# KiCad board STM32MP25XXAJ_DDR4.kicad_pcb (continued)
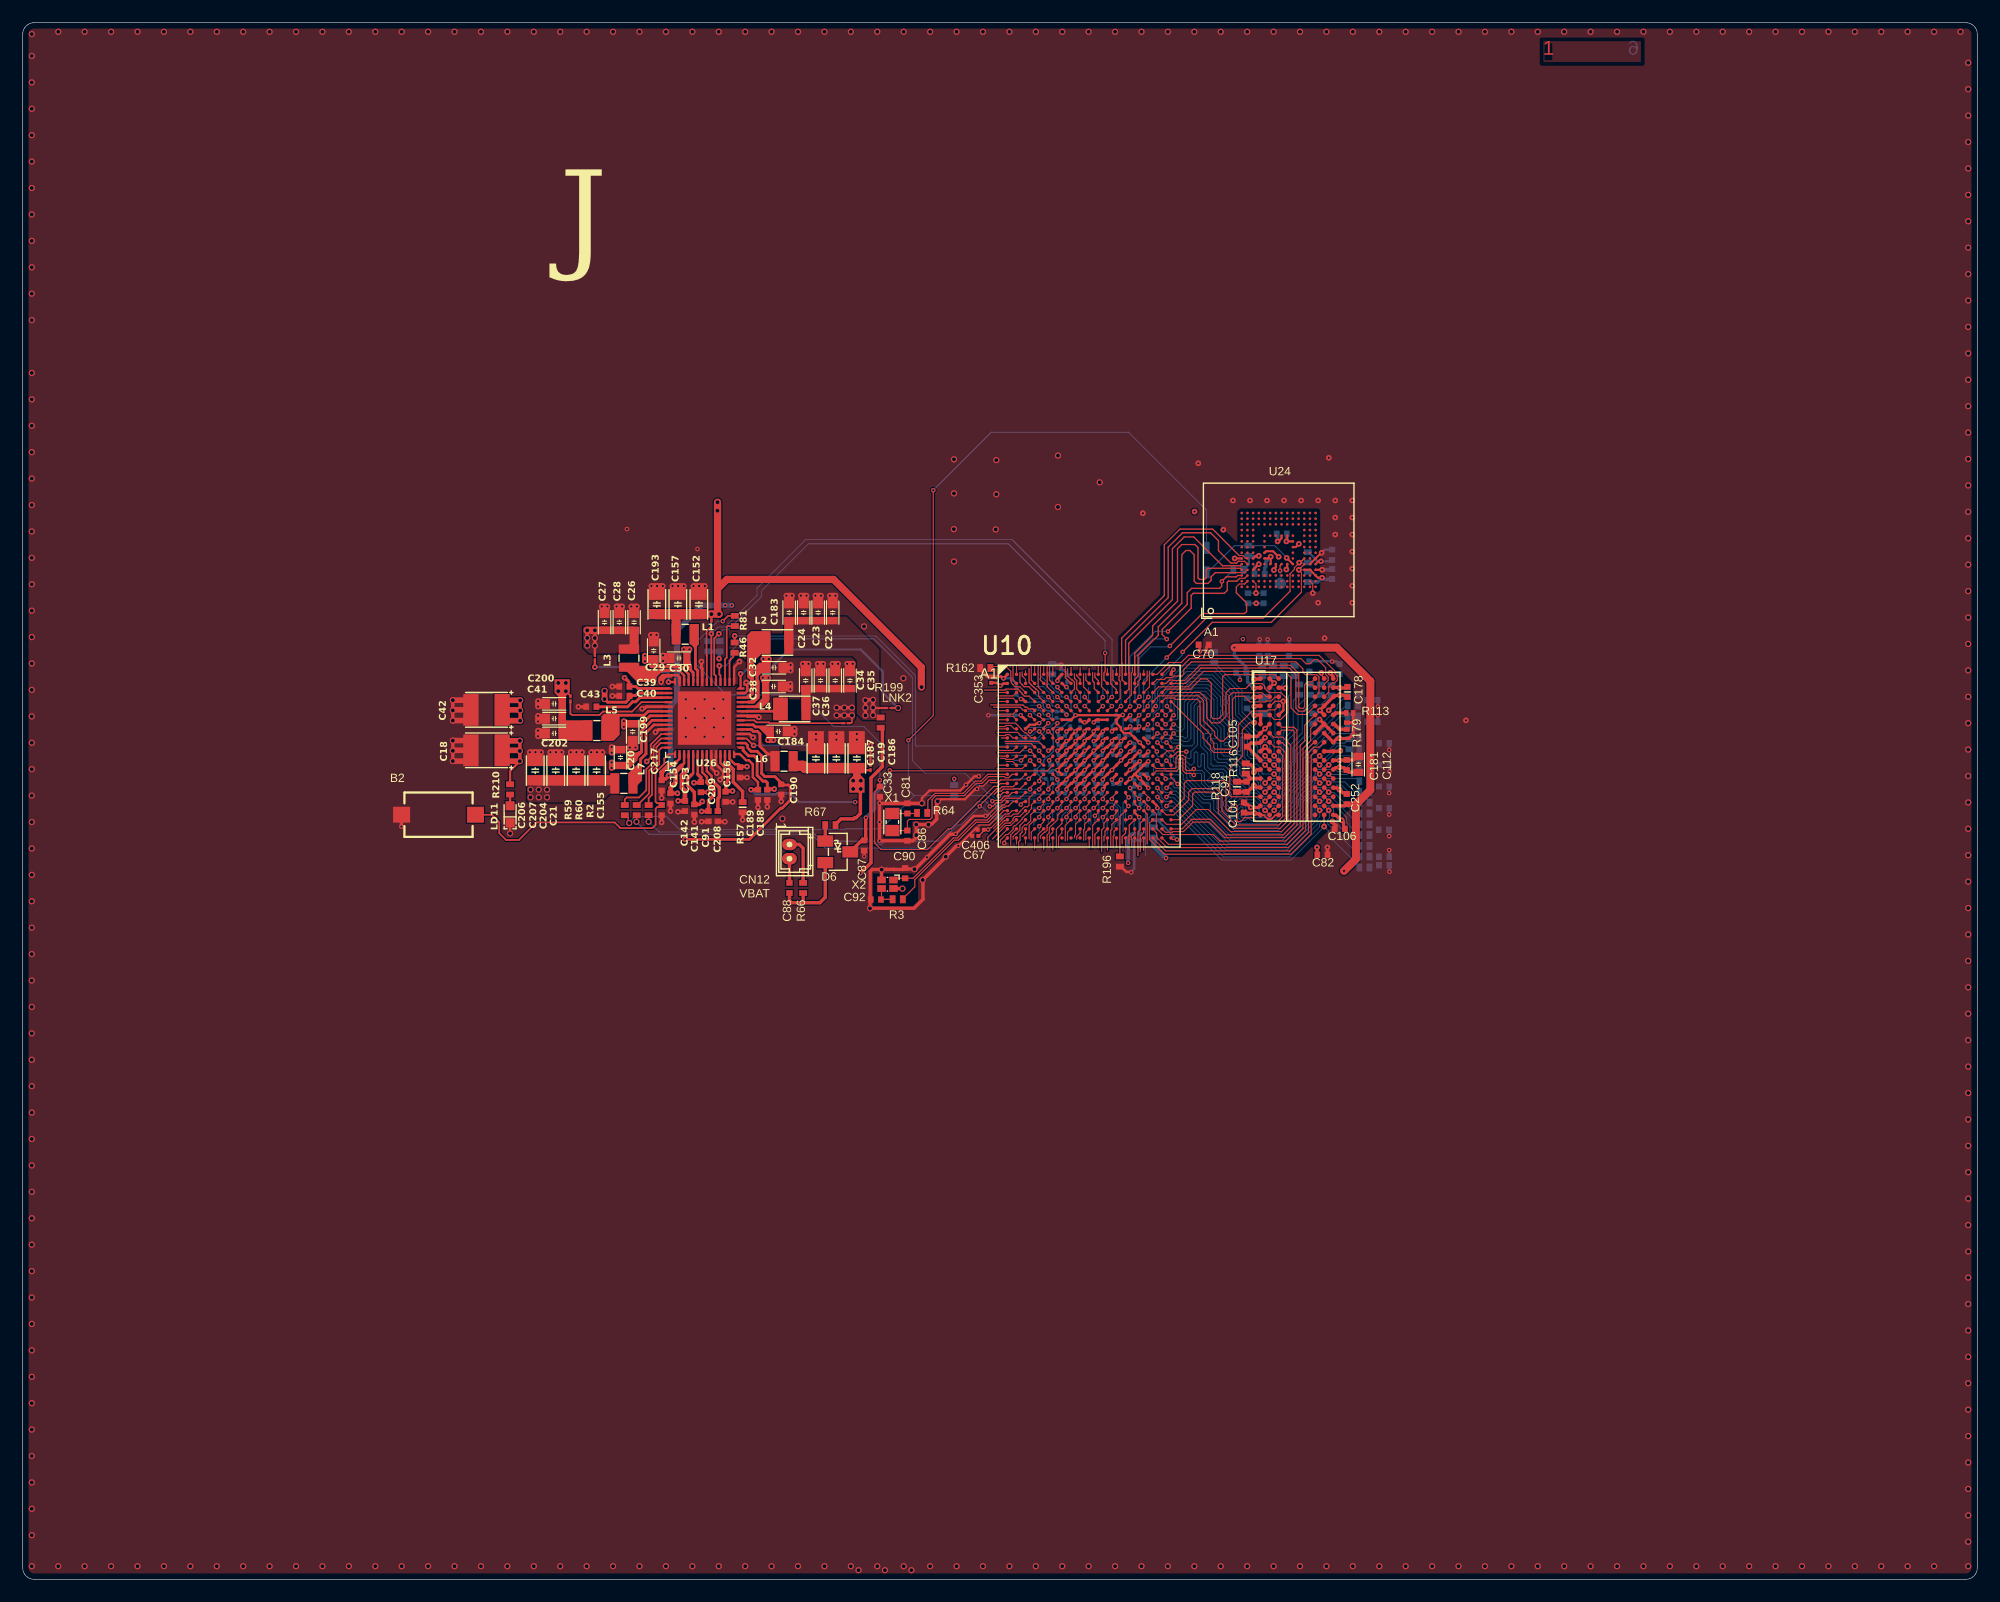
[diagram p0: board, top side]
## Routing (per net, layer and track width the routed paths; a pad name or vN(x,y) marks a point on that pad's centre or on a via; arc(x,y) is an arc through that point) (continued)
PA5: length 1.3
  Top Layer w0.09: v1(94.35,67.2) 94.61,67.46 94.61,67.62 94.64,67.65
  Bottom Layer w0.09: 94.25,66.56 94.35,66.66 v1(94.35,67.2)
PA6: length 2.8
  Top Layer w0.09: 94.24,68.85 94.64,69.25
  Bottom Layer w0.09: v1(94.25,68.68) 94.7,68.23 94.7,66.66
PA7: length 3.8
  Top Layer w0.09: 95.44,69.25 95.44,69.21 95.05,68.81 95.05,68.77
  Bottom Layer w0.09: 95.05,68.67 95.41,68.31 95.9,68.31 96.39,67.82 96.39,66.31
  vias: v1(95.05,68.68)
PA8: length 2.6
  Top Layer w0.09: 96.24,66.85 95.84,66.45 95.84,66.01 95.75,65.92 95.75,64.41
PA9: length 1.1
  Top Layer w0.09: 93.55,65.08 93.55,65.76 93.84,66.05
PA10: length 0.9
  Top Layer w0.09: 93.85,64.36 U10.W10
PA11: length 1.1
  Top Layer w0.09: v1(91.85,67.88) 91.85,67.89 92.22,68.26 92.22,68.42 U10.R8
  Bottom Layer w0.09: 91.57,67.6 91.85,67.88
PA12: length 1.7
  Top Layer w0.09: 92.65,67.87 93.03,68.25 93.03,68.43 U10.R9
  Bottom Layer w0.09: 92.65,67.87 92.28,67.5 92.28,67.04
  vias: v1(92.65,67.88)
PA13: length 3.1
  Top Layer w0.09: 92.66,68.77 92.66,68.82 93.04,69.2 93.04,69.2 93.04,69.25
  Bottom Layer w0.09: 92.65,68.67 92.19,68.21 92.19,68.02 92.19,68.02 92.19,67.73 91.94,67.48 91.74,67.48 91.45,67.18 91.45,66.84
  vias: v1(92.65,68.68)
PA14: length 2.9
  Top Layer w0.09: 92.24,69.25 92.24,69.2 92.05,69.01 92.05,68.95 91.85,68.74 v1(91.85,68.68)
  Bottom Layer w0.09: 91.03,66.85 91.03,67.37 91.39,67.73 91.39,68.02 91.39,68.02 91.39,68.22 91.84,68.68
PA15: length 1.8
  Top Layer w0.09: 93.04,66.85 92.64,66.45 92.64,65.54 92.56,65.45 92.56,65.27
PB0: length 0.6
  Top Layer w0.1: U10.A9 93.05,80.28
PB1: length 2.5
  Top Layer w0.1: 91.95,80.14 91.95,79.53 92.33,79.15 92.37,79.15 92.55,78.97 92.55,78.35 U10.C8
PB2: length 1.9
  Top Layer w0.1: 93.04,78.05 92.75,78.34 92.75,79.1 92.55,79.3 92.55,79.71
PB3: length 4.1
  Top Layer w0.09: 91.9,76.95 91.96,76.89 91.96,76.73 92.24,76.45
  Bottom Layer w0.09: 89.2,78.58 89.81,78.58 90.7,77.68 90.7,77.51 90.96,77.25 91.45,77.25 v1(91.85,76.85)
PB4: length 1
  Top Layer w0.1: 93.55,79.73 93.55,79.15 U10.B10
PB5: length 0.5
  Top Layer w0.1: U10.A10 93.85,80.18
PB6: length 0.9
  Top Layer w0.1: 92.75,79.65 92.75,79.53 93.05,79.23 U10.B9
PB7: length 1.8
  Top Layer w0.1: U10.B8 91.75,79.35 91.75,80.4
PB8: length 3.7
  Top Layer w0.1: 91.84,77.65 92.24,77.25
  Bottom Layer w0.1: v1(91.85,77.65) 91.46,77.65 91.4,77.71 91.4,77.79 91.11,78.09 90.99,78.09 90.7,78.38 90.7,78.4 89.55,79.55
PB9: length 3.4
  Top Layer w0.09: 91.07,76.95 91.07,76.89 91.44,76.51 91.44,76.45
  Bottom Layer w0.09: 88.9,78.15 89.16,77.9 89.16,77.89 89.31,77.73 89.68,77.73 90.11,77.31 90.28,77.31 90.59,76.99 90.59,76.9 90.65,76.85 v1(91.05,76.85)
PB10: length 0.6
  Top Layer w0.1: U10.A8 92.25,80.28
PB11: length 2.8
  Top Layer w0.1: U10.D7 v1(91.05,77.65) 91.03,77.65
  Bottom Layer w0.1: v1(91.05,77.65) 89.47,79.23 89.47,79.25
PB12: length 1.2
  Top Layer w0.09: U10.B16 98.95,79.15 98.95,79.94
PB13: length 1.9
  Top Layer w0.09: 98.35,79.75 98.35,79.23 98.14,79.02 98.14,78.73 98.13,78.72 98.13,78.69 97.84,78.39 97.84,78.05
PB14: length 1.9
  Top Layer w0.1: 99,76.85 99,76.83 98.65,76.47 U10.E16
  Bottom Layer w0.1: 99.41,78.08 99.41,77.5 99.06,77.16 99.06,76.91 99,76.85
  vias: v1(99,76.85)
PB15: length 0.6
  Top Layer w0.09: 88.24,64.7 88.24,65.24 U10.W3
PC0: length 2.9
  Top Layer w0.09: 93.43,68.77 93.43,68.8 93.84,69.22 93.84,69.25
  Bottom Layer w0.09: v1(93.45,68.68) 93.45,68.66 93,68.21 93,66.61
PC1: length 1
  Top Layer w0.09: 93.04,66.05 93.04,65.67 92.75,65.37 92.75,65.13
PC2: length 1.1
  Top Layer w0.09: 91.94,65.05 91.94,65.75 92.24,66.05
PC3: length 1.4
  Top Layer w0.09: 89.84,66.05 89.35,65.55 89.35,64.88
PC4: length 1.1
  Top Layer w0.09: 90.28,67.2 90.28,67.24 90.64,67.6 90.64,67.65
  Bottom Layer w0.09: 90.25,66.57 v1(90.25,67.08)
PC5: length 1.9
  Top Layer w0.09: v1(91.05,67.88) 91.43,68.25 91.43,68.43 U10.R7
  Bottom Layer w0.09: 91.05,67.87 90.63,67.45 90.63,66.84
PC6: length 3.7
  Top Layer w0.09: 90.14,64.51 90.14,65.51 90.34,65.7 90.34,66.15 90.52,66.34 90.55,66.34 91.08,66.88 91.08,67.24 91.44,67.6 91.44,67.65
PC7: length 2.1
  Top Layer w0.09: 89.55,65.2 89.55,65.41 89.9,65.76 89.97,65.76 90.14,65.93 90.14,66.17 90.14,66.18 90.14,66.35 90.64,66.85
PC8: length 1.2
  Top Layer w0.09: 90.35,65 90.35,65.45 90.55,65.65 90.55,65.67 90.65,65.76 U10.V6
PC9: length 1.1
  Top Layer w0.09: 90.65,64.19 U10.W6
PC10: length 2.7
  Top Layer w0.09: U10.U7 91.45,66.52 90.96,66.03 90.96,64.37
PC11: length 1.2
  Top Layer w0.09: U10.U5 89.83,66.83 89.83,66.65 v1(89.45,66.28)
  Bottom Layer w0.09: v1(89.45,66.28) 89.45,65.87 89.45,65.87
PC12: length 1.1
  Top Layer w0.09: 88.75,65.06 88.75,65.75 89.04,66.05
PCIE_CLKINN: length 0.8
  Top Layer w0.1: 96.25,64.45 U10.W13
PCIE_CLKINP: length 1.8
  Top Layer w0.09: 95.95,64.37 95.95,65.37 96.04,65.45 96.04,65.84 96.24,66.05
PD0: length 1
  Top Layer w0.1: 94.35,79.77 94.35,79.39 94.65,79.09 U10.B11
PD1: length 0.5
  Top Layer w0.1: U10.A12 95.45,80.14
PD2: length 1
  Top Layer w0.09: 92.64,77.65 93.04,77.25
  Bottom Layer w0.09: v1(92.65,77.65) 92.65,78.13
PD3: length 1.9
  Top Layer w0.1: 93.35,79.72 93.35,78.73 93.34,78.72 93.34,78.56 U10.C10
PD4: length 2.4
  Top Layer w0.09: 93.48,76.95 93.48,76.88 93.84,76.51 93.84,76.45
  Bottom Layer w0.09: v1(93.45,76.85) 93.79,77.2 93.79,78.46 93.8,78.46
PD5: length 1.4
  Top Layer w0.09: 95.14,77.65 95.09,77.65 94.69,77.25 94.64,77.25
  Bottom Layer w0.09: v1(95.05,77.65) 95.05,78.34
PD6: length 2.3
  Top Layer w0.09: 95.8,76.97 95.75,76.91 95.75,76.75 95.5,76.5 95.44,76.5 95.44,76.45
  Bottom Layer w0.09: v1(95.85,76.85) 95.48,77.22 95.48,78.34
PD7: length 2.4
  Top Layer w0.09: 94.64,76.45 94.64,76.5 95.07,76.93 95.07,76.99
  Bottom Layer w0.09: v1(95.05,76.85) 94.56,77.34 94.56,78.29
PD8: length 0.7
  Top Layer w0.1: U10.A11 94.65,80.36
PD9: length 2
  Top Layer w0.09: 92.64,76.95 92.64,76.9 93.04,76.5 93.04,76.45
  Bottom Layer w0.09: v1(92.65,76.85) 93.08,77.28 93.08,77.96
PD10: length 2
  Top Layer w0.1: 94.15,79.83 94.15,79.07 94.29,78.92 94.29,78.41 U10.C11
PD11: length 1
  Top Layer w0.09: 93.44,77.65 93.84,77.25
  Bottom Layer w0.09: v1(93.45,77.65) 93.45,78.11
PD12: length 0.4
  Top Layer w0.09: U10.A16 98.65,80.03
PD13: length 1.1
  Top Layer w0.09: U10.D16 v1(99.05,77.65)
  Bottom Layer w0.09: 99.07,77.68 v1(99.05,77.65) 99.05,78.1 99.03,78.12
PE0: length 0.5
  Top Layer w0.09: 96.24,79.65 96.24,80.18
PE1: length 1.3
  Top Layer w0.09: 96.25,78.85 95.94,79.15 95.94,80.03
PE2: length 2.5
  Top Layer w0.1: U10.C13 96.25,78.3 95.75,78.8 95.75,80.39
PE3: length 3.3
  Top Layer w0.09: 97.65,80.32 97.65,79.86 97.55,79.77 97.55,77.93 97.56,77.92 97.56,77.84 97.12,77.4 97.12,77.38 97.05,77.31 U10.D14
PE4: length 3.5
  Top Layer w0.09: 96.24,77.25 96.29,77.25 96.57,77.53 96.57,79.04 96.47,79.15 96.47,79.45 96.54,79.53 96.54,80.52
PE5: length 2.2
  Top Layer w0.09: 96.24,76.45 96.24,76.48 96.7,76.93 96.7,76.97
  Bottom Layer w0.09: v1(96.65,76.85) 96.65,78.34
PF0: length 2.2
  Top Layer w0.09: v1(93.45,67.88) 93.45,67.89 93.82,68.26 93.82,68.42 U10.R10
  Bottom Layer w0.09: 93.8,66.53 93.8,67.53 v1(93.45,67.88)
PF1: length 2.1
  Top Layer w0.09: 91.75,64.99 91.75,66.35 92.24,66.85
PF2: length 2.3
  Top Layer w0.09: v1(94.24,67.88) 94.26,67.88 94.63,68.25 94.63,68.43 U10.R11
  Bottom Layer w0.09: 94,66.4 94,67.63 v1(94.24,67.88)
PF3: length 1.3
  Top Layer w0.09: 92.67,67.2 92.67,67.23 93.04,67.61 93.04,67.65
  Bottom Layer w0.09: 92.66,66.42 92.66,67.07
  vias: v1(92.65,67.08)
PF4: length 1.1
  Top Layer w0.09: 89.85,64.19 U10.W5
PF5: length 3.5
  Top Layer w0.09: 91.05,68.75 91.05,68.8 91.44,69.2 91.44,69.25
  Bottom Layer w0.09: 88.91,67.49 89.57,67.49 89.81,67.73 89.81,68.04 90.04,68.26 90.64,68.26 v1(91.05,68.68)
PF6: length 1.4
  Top Layer w0.09: 89.84,68.45 89.83,68.43 89.83,68.25 v1(89.45,67.88)
  Bottom Layer w0.09: 88.82,67.88 v1(89.45,67.88)
PF7: length 1.9
  Top Layer w0.09: U10.R6 90.64,68.44 90.64,68.24 90.28,67.88 v1(90.25,67.88)
  Bottom Layer w0.09: 89.88,66.92 89.88,67.49 90.25,67.86 v1(90.25,67.88)
PF8: length 1.5
  Top Layer w0.09: 89.45,67.18 89.45,67.21 89.84,67.61 89.84,67.65
  Bottom Layer w0.09: v1(89.45,67.08) 88.98,66.6 88.98,66.36
PF9: length 1.9
  Top Layer w0.09: 88.56,65.17 88.56,66.35 89.04,66.84 89.04,66.85
PF10: length 2
  Top Layer w0.09: 90.24,68.85 90.64,69.25
  Bottom Layer w0.09: v1(90.25,68.68) 89.94,68.68 89.59,68.33 88.93,68.33
PF11: length 5.1
  Top Layer w0.09: U10.R4 88.76,68.16 88.76,67.83 88.54,67.61 88.54,67.53 88.37,67.36 88.34,67.36 87.97,66.98 87.97,66.93 87.37,66.34 87.28,66.34 87.16,66.21 87.16,66.01 86.69,65.54 86.53,65.54 86.03,65.05 86.03,64.79
PF12: length 3.6
  Top Layer w0.1: 86.44,73.75 88.83,73.75 88.84,73.74 89.39,73.74 89.84,73.28 89.84,73.25
PF13: length 4.8
  Top Layer w0.09: 91.07,75.22 91,75.22 90.99,75.21 90.99,75.19 U10.G6
  Bottom Layer w0.09: 87.53,74.04 89.35,74.04 89.91,74.59 89.91,74.77 90.14,75.01 90.39,75.01 90.74,75.35 v1(91.05,75.35)
PF14: length 1.6
  Top Layer w0.1: 89.44,75.97 89.48,75.97 89.8,75.65 89.84,75.65
  Bottom Layer w0.1: 89.45,76.05 89.15,76.05 88.8,76.4 88.49,76.4
  vias: v1(89.45,76.08)
PF15: length 3
  Top Layer w0.1: U10.G5 89.89,74.89 89.89,74.99 v1(90.25,75.35)
  Bottom Layer w0.1: 88.11,74.98 89.84,74.98 90.21,75.35 v1(90.25,75.35)
PG0: length 1
  Top Layer w0.09: 89.05,64.28 U10.W4
PG1: length 3.4
  Top Layer w0.09: 85.69,65.78 86.46,66.56 86.88,66.56 87.16,66.83 87.16,66.97 87.33,67.15 87.75,67.15 U10.T3
PG2: length 4.1
  Top Layer w0.09: U10.T4 88.7,67.3 88.7,66.76 88.34,66.4 88.18,66.4 87.95,66.17 87.95,65.77 87.77,65.59 87.77,65.04 87.64,64.91 87.64,64.19
PG3: length 2.2
  Top Layer w0.09: 87.16,65.13 87.16,65.37 87.38,65.6 87.42,65.6 87.75,65.93 87.75,66.35 88.25,66.85 U10.U3
PG4: length 0.8
  Top Layer w0.09: 87.96,65.38 88.25,65.67 88.25,66.05 U10.V3
PG5: length 2.7
  Top Layer w0.09: 85.72,74.54 87.55,74.54 88.03,74.06 88.24,74.06 U10.H3
PG6: length 2.7
  Top Layer w0.09: U10.J3 87.75,72.75 85.78,72.75
PG7: length 2.4
  Top Layer w0.09: 90.64,75.65 90.61,75.65 90.28,75.98 90.24,75.98
  Bottom Layer w0.1: v1(90.25,76.08) 89.86,76.08 89.8,76.13 89.8,76.22 89.52,76.5 89.31,76.5 89.19,76.62 88.68,76.62
PG8: length 4.9
  Top Layer w0.1: 84.64,78.27 86.44,78.27 86.53,78.35 87.57,78.35 87.75,78.17 87.75,78.16 87.92,77.99 87.92,77.95 88.14,77.73 88.57,77.73 U10.D4
PG9: length 4.1
  Top Layer w0.1: U10.E4 88.9,76.6 88.52,76.6 88.37,76.75 88.22,76.75 88.02,76.95 85.17,76.95
PG10: length 1.4
  Top Layer w0.09: v1(89.45,76.85) 89.84,76.46
  Bottom Layer w0.09: v1(89.45,76.85) 89.39,76.91 89.25,76.91 89.24,76.92 88.66,76.92
PG11: length 2.5
  Top Layer w0.09: 90.24,76.85 90.64,76.45
  Bottom Layer w0.09: 88.6,77.5 89.6,77.5 v1(90.25,76.85)
PG12: length 0.5
  Top Layer w0.1: v1(88.65,74.62) 88.82,74.62 U10.G4
PG13: length 2.7
  Top Layer w0.1: U10.H5 89.83,74.07 89.83,74.25 v1(89.45,74.62)
  Bottom Layer w0.1: 87.67,74.28 88.83,74.28 89.17,74.61 89.44,74.61 v1(89.45,74.62)
PG14: length 2.9
  Top Layer w0.1: 85.43,76.75 87.78,76.75 88.05,76.48 88.22,76.48 U10.E3
PG15: length 2.6
  Top Layer w0.1: U10.C6 90.15,78.55 90.15,78.72 90.15,78.73 90.15,79.77 90.15,79.78 90.15,80.41
PH2: length 3.2
  Top Layer w0.09: 96.24,69.25 96.24,69.21 95.84,68.81 95.84,68.77
  Bottom Layer w0.09: 95.85,68.67 96.62,67.9 96.62,66.46
  vias: v1(95.85,68.68)
PH3: length 1.2
  Top Layer w0.09: 95.44,67.65 95.42,67.63 95.42,67.45 95.05,67.08
  Bottom Layer w0.09: 95.05,66.59 v1(95.05,67.07)
PH4: length 2.7
  Top Layer w0.09: 96.25,68.44 96.09,68.28 96.09,68.19 95.85,67.95 v1(95.85,67.88)
  Bottom Layer w0.09: 96.04,66.12 96.04,66.45 96.19,66.6 96.19,67.53 95.85,67.87 95.85,67.88
PH5: length 2.1
  Top Layer w0.1: U10.R14 97.05,68.31 v1(97.3,68.06)
  Bottom Layer w0.1: v1(97.3,68.06) 97.04,67.8 97.04,66.58
PH6: length 3.4
  Top Layer w0.09: v1(95.05,67.88) 95.41,68.23 95.41,68.41 U10.R12
  Bottom Layer w0.09: 95.05,67.97 95.12,67.97 95.43,67.66 95.43,67.08 95.43,65.55
PH7: length 2
  Top Layer w0.09: 93.36,65.05 93.36,65.97 93.44,66.05 93.44,66.45 93.84,66.85
PH8: length 2.7
  Top Layer w0.09: 94.15,64.35 94.15,66.36 94.64,66.85
PH9: length 1.1
  Top Layer w0.09: 92.24,67.65 92.24,67.59 91.89,67.24 91.89,67.19
  Bottom Layer w0.09: 91.85,66.57 v1(91.85,67.08)
PH12: length 1.7
  Top Layer w0.09: 91.15,64.45 91.15,65.37 91.44,65.67 91.44,66.05
PI0: length 1.6
  Top Layer w0.1: 90.24,77.65 90.64,77.25
  Bottom Layer w0.1: v1(90.25,77.65) 89.89,78.01 89.35,78.01
PI1: length 0.6
  Top Layer w0.1: v1(88.63,76.05) 89.06,75.62 89.07,75.62
PI2: length 4.6
  Top Layer w0.22: 90.26,72.84 90.26,72.85 90.64,73.23 90.64,73.25
  Bottom Layer w0.09: v1(90.25,72.93) 89.58,73.6 86.46,73.6
PI3: length 3.8
  Top Layer w0.09: U10.H4 88.74,74.05 88.51,74.28 88.51,74.28 88.28,74.51 88.18,74.51 87.85,74.83 87.85,74.87 87.57,75.15 87.56,75.15 87.36,75.35 85.8,75.35
PI4: length 3.8
  Top Layer w0.09: v1(90.25,74.62) 90.28,74.62 90.64,74.26 90.64,74.06 U10.H6
  Bottom Layer w0.09: 87.55,73.85 89.48,73.85 v1(90.25,74.62)
PI5: length 3.5
  Top Layer w0.1: 88.55,80.17 88.55,78.94 88.75,78.74 88.75,78.73 88.92,78.55 88.96,78.55 89.16,78.35 89.17,78.35 89.39,78.13 89.39,77.71 U10.D5
PI6: length 2.6
  Top Layer w0.1: U10.C5 89.35,78.55 89.35,80.46
PI7: length 2.5
  Top Layer w0.1: 87.76,79.81 87.76,78.93 87.95,78.74 87.95,78.73 88.12,78.56 88.54,78.56 U10.C4
PI8: length 2.5
  Top Layer w0.09: 89.44,69.65 89.84,70.05
  Bottom Layer w0.09: v1(89.45,69.53) 89.13,69.53 88.79,69.18 88.5,69.18 88.4,69.28 87.67,69.28
PI9: length 2.6
  Top Layer w0.1: U10.J4 89.05,73.25 88.75,73.55 86.53,73.55
PI10: length 2.8
  Top Layer w0.1: U10.C12 94.92,78.58 94.92,78.7 94.95,78.73 94.95,80.57
PI11: length 2.1
  Top Layer w0.09: U10.C16 99.15,78.55 99.15,79.95
PMIC_WAKEUPn: length 35.7
  Top Layer w0.1: 89.44,72.85 89.84,72.45
  Top Layer w0.15: R46.1 v2(62.65,83.03)
  Bottom Layer w0.1: v1(89.45,72.93) 89.05,73.33 78.62,73.33 78.56,73.39 78.56,79.54 75.08,83.02 62.7,83.02
PWR_CPU_ON: length 39.6
  Top Layer w0.1: 54.01,66.64 54.01,67.23 R60.1 ; v1(84.21,68.04) 84.21,68.1 85.7,69.58 86,69.58 86.19,69.76 87.16,69.76 U10.N2
  Bottom Layer w0.1: v3(54.01,66.67) 55.11,65.57 69.42,65.57 70.63,64.36 80.23,64.36 82.26,66.39 82.59,66.39 84.21,68.01 v1(84.21,68.04) 84.38,68.04 85.42,67 86,67
PWR_ON: length 36.9
  Top Layer w0.1: 55.08,66.64 R2.1 ; v1(85.1,68.03) 85.12,68.04 85.38,68.04 85.68,68.34 86.12,68.34 86.53,68.75 87.75,68.75 U10.P3
  Bottom Layer w0.1: v3(55.08,66.67) 55.12,66.67 56.02,65.77 69.5,65.77 70.32,64.96 74.95,64.96 75.26,64.65 75.55,64.65 75.85,64.96 80.55,64.96 84.02,68.43 84.78,68.43 85.12,68.08
PZ0: length 3.1
  Top Layer w0.1: 89.84,71.65 89.79,71.65 89.49,71.95 89.44,71.95
  Bottom Layer w0.1: v1(89.45,72.08) 89.02,72.5 87.05,72.5
PZ1: length 3.4
  Top Layer w0.09: 85.13,70.11 85.83,70.11 86.07,70.35 87.75,70.35 U10.M3
PZ2: length 2.7
  Top Layer w0.09: U10.L3 87.95,71.35 85.73,71.35
PZ3: length 0.8
  Top Layer w0.1: U10.M5 89.51,70.51 89.51,70.31 v1(89.45,70.26)
PZ4: length 2.3
  Top Layer w0.1: 88.65,72.03 88.66,72.03 89.04,71.65 89.04,71.65
  Bottom Layer w0.1: v1(88.65,72.08) 88.29,71.71 87.04,71.71
PZ5: length 2.1
  Top Layer w0.1: 89.04,70.85 89.01,70.81 88.89,70.81 v1(88.53,70.45)
  Bottom Layer w0.1: 87.18,70.35 87.28,70.45 v1(88.53,70.45)
PZ6: length 1.4
  Top Layer w0.1: U10.K4 89.05,72.53 v1(88.65,72.93)
  Bottom Layer w0.1: 87.9,72.93 v1(88.65,72.93)
PZ7: length 1
  Top Layer w0.09: U10.L2 87.12,71.98 86.54,71.98
PZ8: length 1.2
  Top Layer w0.1: U10.K3 87.86,72.06 87.85,72.06
  Bottom Layer w0.1: 87.22,72.08 v1(87.85,72.08)
PZ9: length 0.8
  Top Layer w0.09: 85.87,71.65 U10.L1
UCPD1_CC1: length 5.9
  Top Layer w0.09: U10.P16 99.05,68.85 v1(99.05,68.68)
  Bottom Layer w0.1: 98.8,63.71 98.8,67.63 98.7,67.73 98.7,68.02 98.8,68.12 98.8,68.43 v1(99.05,68.68)
UCPD1_CC2: length 2.3
  Top Layer w0.1: U10.U15 97.38,66.37 97.38,65.5 97.35,65.47 97.35,64.73
USB3DR_DM: length 2.1
  Top Layer w0.11: 98.64,66.05 98.64,65.72 98.34,65.42 98.34,64.05
USB3DR_DP: length 1.1
  Top Layer w0.11: 98.64,64.15 98.64,65.25
USB3DR_TXRTUNE: length 3.1
  Top Layer w0.1: U10.T16 98.95,67.35 98.95,64.71
USBH_HS_DM: length 1.8
  Top Layer w0.1: 97.59,64.44 97.59,65.08 97.55,65.13 97.55,65.39 97.85,65.69 U10.V15
USBH_HS_DP: length 0.8
  Top Layer w0.09: 97.85,64.45 U10.W15
USBH_HS_TXRTUNE: length 3.4
  Top Layer w0.1: U10.U16 98.34,66.54 98.34,65.98 98.14,65.78 98.14,63.69
VPP_DDR: length 108.2
  Top Layer w0.21: U26.7 59.8,71.03 60.21,70.61 60.21,70.25
  Top Layer w0.3: 115.33,68.07 116.35,68.07 ; 108.37,78.47 108.93,78.47 ; 60.21,70.25 60.21,70.12 60.84,69.5 60.84,69.04 60.35,68.55 60.35,67.73 ; v2(59.74,67.58) 60.35,67.58
  Top Layer w0.4: 116.52,68.22 117.32,68.22
  Top Layer w0.7: v1(106.62,82) 115.64,82 118.59,79.04 118.59,69.47 117.37,68.24 ; 116.27,62.34 117.32,63.39 117.32,68.22
  Signal Layer 2 2 w0.6: 72.2,55.17 59.79,67.58 v2(59.74,67.58)
  Signal Layer 2 2 w0.7: 72.2,55.17 109.1,55.17 v2(116.27,62.35)
  Bottom Layer w0.3: 108.36,78.48 108.31,78.48 108.21,78.58 108.19,78.58 107.79,78.98 107.79,79.8 ; C255.2 107.62,79.85 107.62,80.32 106.62,81.32 v1(106.62,82)
  vias: v2(108.36,78.43)
VTT_DDR: length 89.3
  Top Layer w0.21: 56.27,78 U26.44
  Top Layer w0.25: 53.51,77.75 53.43,77.75 53.32,77.64 53.32,77.45 53.07,77.2 51.48,77.2 51.2,77.47 51.23,77.47 ; 56.27,78 54.15,78 53.94,77.79 53.67,77.79 53.51,77.64 ; v3(51.2,78.2) 51.2,78.2
  Top Layer w0.5: 51.2,77.47 51.2,78.2
  Signal Layer 2 2 w0.6: 51.2,77.5 51.2,78.22
  Signal Layer 2 2 w0.7: v1(107.38,82.75) 107.12,83 102.55,83 94.08,91.47 51.64,91.47 45.74,85.57 45.74,77.95 46.62,77.06 48.04,77.06 49.18,78.2 51.15,78.2
  vias: v3(51.2,77.47)

## Copper pours and planes (outline as drawn; the poured copper is in the pictures)
1V8 on Signal Layer 2 2: 60.68,96.6 60.68,93.47 101.69,93.47 101.75,83.8 116.35,83.8 117.72,85.18 117.72,96.6
3V3 on Top Layer: 44.39,68.55 44.56,68.37 50.91,68.37 52.21,69.67 52.21,70.52 44.59,70.52 44.39,70.32
3V3 on Signal Layer 2 2: 58,61.39 35.71,61.39 35.71,84.01 44.44,84.01 44.44,73.55 45.45,72.54 58,72.54
5V_STLK on Top Layer (solid shape): 65.57,73.88 65.57,74.12 64.68,75.03 65.42,75.03 65.75,74.7
5V_STLK on Top Layer (solid shape): 54.75,75.62 54.75,75.4 54.33,74.98 52.65,74.98 52.65,75.53 52.9,75.53 52.99,75.62
5V_STLK on Top Layer (solid shape): 54.37,72.9 54.22,72.9 54.19,72.87 54.15,72.84 54.1,72.82 54.05,72.8 54,72.78 53.95,72.78 53.93,72.77 53.43,72.77 53.4,72.78 53.35,72.78 53.3,72.8 53.25,72.82 53.2,72.84 53.16,72.87 53.15,72.45 53.15,71.95 52.87,71.95 52.87,71.31 53.33,71.31 54.1,72.07 54.1,72.18 54.1,72.23 54.11,72.27 54.13,72.31 54.15,72.35 54.18,72.38 54.54,72.74
5V_STLK on Top Layer (solid shape): 65.1,79.78 64.93,79.67 64.85,79.6 64.77,79.48 64.75,79.34 64.75,79.33 64.77,79.19 64.85,79.07 64.85,77.54 64.85,77.55 64.38,77.08 63.77,77.08 63.77,77.35 64.01,77.35 64.48,77.82 64.48,80.35 64.81,80.67 65.82,80.67 65.82,79.78
5V_STLK on Top Layer (solid shape): 56.73,80.52 56.63,80.43 56.27,80.43 56.03,80.53 55.93,80.78 55.93,80.83 55.2,80.82 55.15,80.8 55.12,80.75 55.13,80.4 55.18,80.26 55.33,80.2 57.95,80.2 58.35,79.8 58.61,79.8 57.89,80.52 57.62,80.53
5V_STLK on Signal Layer 2 2: 43.37,82.64 68.35,82.64 68.35,66.23 43.41,66.23
GND on Top Layer (solid shape): 70.5,73.3 70.5,74.65 69.1,74.65 69.1,73.3
GND on Top Layer (solid shape): 72.3,73.3 72.3,74.65 70.9,74.65 70.9,73.3
GND on Top Layer (solid shape): 74.1,73.3 74.1,74.65 72.7,74.65 72.7,73.3
GND on Top Layer: 0.18,137.1 0.3,136.98 172,136.98 172,-0.32 0.1,-0.32
GND on Bottom Layer: 0.23,137.07 172,137.07 172,-0.22 0.02,-0.22
GND on Signal Layer 1: -1,138 172,138 172,-1 -1,-1
GND on Signal Layer 2 2: -0.04,136.9 172,136.9 172,-0.1 -0.04,-0.1
VDD_DDR on Top Layer (solid shape): 47.8,77.73 48.15,78.08 48.15,79.22 46.8,79.22 46.8,78.02 47.15,77.66 47.15,77.24 47.79,77.24
VDD_DDR on Signal Layer 2 2: 49.22,81.75 52.65,81.75 53.23,81.18 53.23,78.95 52.73,78.45 49.21,78.46 48.22,77.47 46.92,77.47 46.25,78.14 46.25,85.38 50.85,89.99 96.09,89.99 106.3,79.78 117.05,79.78 117.05,74.53 118.05,74.53 118.05,62.27 105.57,62.28 98.91,68.94 98.48,68.94 97.25,70.17 97.25,81.32 94.48,84.1 49.54,84.1 49.22,83.78
VDDCORE on Top Layer: 72.51,84.74 75.39,81.86 75.39,75.63 75.39,75.63 73.94,75.63 73.39,76.17 73.39,80.87 73.02,81.25 67.01,81.25 67,84.74
VDDCORE on Signal Layer 2 2: 85.2,78.6 85.93,79.33 91.1,79.33 91.55,78.88 91.54,78.59 93.08,77.05 93.08,75.22 93.66,74.61 93.66,72.02 93.51,71.87 90.93,71.87 89.78,73.02 73.71,73.02 73.71,78.6
VDDCPU on Top Layer: 49.31,83.84 49.31,82 49.84,81.48 54.25,81.48 54.24,81.48 54.24,83.84
VDDCPU on Signal Layer 2 2: 94.07,72.5 94.07,74.75 93.21,75.61 93.21,76.95 91.62,78.55 81.77,78.73 66.45,78.55 66.45,80.62 66.5,80.67 66.17,81 60.14,81 60.05,80.91 59.12,81.85 49.32,81.85 49.22,81.75 49.22,83.78 50.84,85.4 59.72,85.4 60.6,84.51 60.6,84.5 93.85,84.5 96.93,81.42 96.93,72.5
VDDGPU on Top Layer: 73.1,75.6 73.25,75.74 73.25,78.72 68.53,78.72 68.53,75.6
VDDGPU on Signal Layer 2 2: 97.15,69.67 97.15,72.31 93.99,72.31 93.67,71.99 93.67,69.51 91.19,69.51 89.37,67.71 74.37,67.71 72.55,69.54 72.55,71.78 73.63,72.86 73.63,77.29 68.13,77.29 66.6,75.76 66.6,73.52 68.4,71.77 68.4,66.46 74.81,60.18 93.88,60.18 98.54,64.84 98.54,68.28
VDDIO on Top Layer (solid shape): 73.08,70.72 72.73,70.37 72.73,69.23 74.08,69.23 74.08,70.43 73.72,70.79 73.72,71.21 73.08,71.21
VDDIO on Top Layer: 62.49,78.77 62.49,80.57 63.03,81.1 63.21,81.1 63.65,80.66 63.65,80.12 62.95,79.42 62.95,78.77
VDDIO on Signal Layer 2 2: 93.62,71.95 93.61,71.95 93.61,69.59 91.4,69.59 89.38,67.56 74.38,67.56 72.55,69.39 72.55,71.65 73.74,72.84 90.26,72.84 91.15,71.95
NetL1_1 on Top Layer (solid shape): 59.49,82.28 59.15,81.93 58.69,82.39 58.7,84.08 59.5,84.08
NetL2_1 on Top Layer (solid shape): 65.15,81.45 65.01,81.45 64.32,80.76 64.32,78 63.85,77.53 63.52,77.53 63.52,77.68 63.61,77.68 63.95,78.01 64.01,78.09 64.02,78.19 64.02,78.74 64.07,78.85 64.07,79.01 64.01,79.16 63.9,79.27 63.77,79.32 63.75,79.33 63.75,83.1 64.1,83.45 65.01,83.45 65.15,83.32
NetL3_1 on Top Layer (solid shape): 55.28,80.04 55.25,80.05 55.23,80.06 55.15,80.09 55.13,80.1 55.1,80.12 55.05,80.18 55.03,80.2 55.01,80.23 54.99,80.29 54.98,80.32 54.96,80.35 54.93,80.37 54.9,80.39 54.85,80.4 54.07,80.4 54.07,79.26
NetL3_1 on Top Layer (solid shape): 54.07,78.98 52.89,80.16 53.99,80.16 54.07,80.08 57.68,80.08 57.92,79.84 56.29,79.84 56.14,79.77 55.84,79.47 55.77,79.31 55.77,78.98
NetL4_1 on Top Layer (solid shape): 66.03,77.6 66.03,75.6 66.93,75.6 66.93,77.6
NetL5_1 on Top Layer (solid shape): 50.93,75.95 51.15,76.17 52.52,76.17 52.52,74.32 52,73.8 50.93,73.8
NetL6_1 on Top Layer: 64.88,73.86 65.34,73.4 66.6,73.4 66.6,71.1 66.6,71.1 65.3,71.1 65.3,72.72 64.87,73.15
NetL7_1 on Top Layer (solid shape): 54.37,70.35 54.07,70.05 53.3,70.05 53.3,70.95 54.38,72.02
VTT_DDR on Bottom Layer: 107.03,81.33 107.03,83.08 107.05,83.1 108.3,83.1 108.45,82.95 108.45,81.8 108.62,81.62 111.85,81.62 112.97,80.5 117.7,80.5 118.88,79.33 118.88,75.25 119.9,74.23 119.9,62.28 118.05,62.28 118.1,74.35 117.82,74.62 117.05,74.62 117.05,78.12 116.85,78.33 112.65,78.33 112.32,78.65 112.32,79.88 108.47,79.88

Small or netless copper shapes (teardrops, artwork), in the pictures only: 51 on Top Layer

## Text on the board
Bottom Layer: 6
User.Drawings: D | F | 506 | 344 | 2 | 852 Total | 0.200mm (7.87mil) | 0.350mm (13.78mil) | 0.500mm (19.69mil) | PTH | Round | Top Layer - Bottom Layer | Layer | 1 | 3 | 4 | Name | Top Overlay | Top Solder | Top Layer | Dielectric 1 | Signal Layer 1 | Dielectric 2 | Signal Layer 2 | Dielectric 3 | Bottom Layer | Bottom Solder | Bottom Overlay | Via | Pad | Material | Solder Resist | Rounded | Thickness | 0.025mm | 0.037mm | 0.070mm | 0.035mm | 1.330mm | - | Constant | 3.5 | 3.8 | 4.3 | Symbol | Count | Hole Size | Plated | Hole Type | Drill Layer Pair | Via/Pad | Pad Shape | Hole Length | PCB SPECIFICATIONS : | A.   MATERIAL : | B.   MATERIAL FAMILY : | C.   SOLDERMASK COLOR : | D.   SILKSCREEN COLOR : | E.   SURFACE FINISH : | F.   IMPEDANCE CONTROL : | G.   THROUGH VIA : | H.   STACK-UP : | FR-4 | N/A | GREEN | X  WHITE | X  ENIG | HASL | NO | PLUG THE VIAS WHICH ARE COVERED WITH SOLDERMASK ONE OR TWO SIDE. | PLUG MATERIAL : | SEE LAYER STACK-UP SEQUENCE FOR OVERALL THICKNESS. | TG-170 | X  BLUE | YELLOW | IMMERSION SILVER | HASL (PB-FREE) | X  YES | X  SOLDERMASK | X  TG-150 | RED | BLACK | TG-140 | IMMERSION TIN | GOLDEN FINGER | NON-CONDUCTIVE EPOXY. | BGA : | MINIMUN PARAMETERS | DEFAULT | PCB : TYPE 3 | ASPECT-RATIO, AXE Z : | TRACKS : 0.090mm / GAPS : 0.090mm | TRACKS : 0.100mm / GAPS : 0.100mm | 6 :1  to  8 :1 / LEVEL "B"
Top Layer: 1
Top Overlay: VBAT | J
Signal Layer 1: 2
Signal Layer 2 2: 5
